# KiCad board sizif128.kicad_pcb (continued)
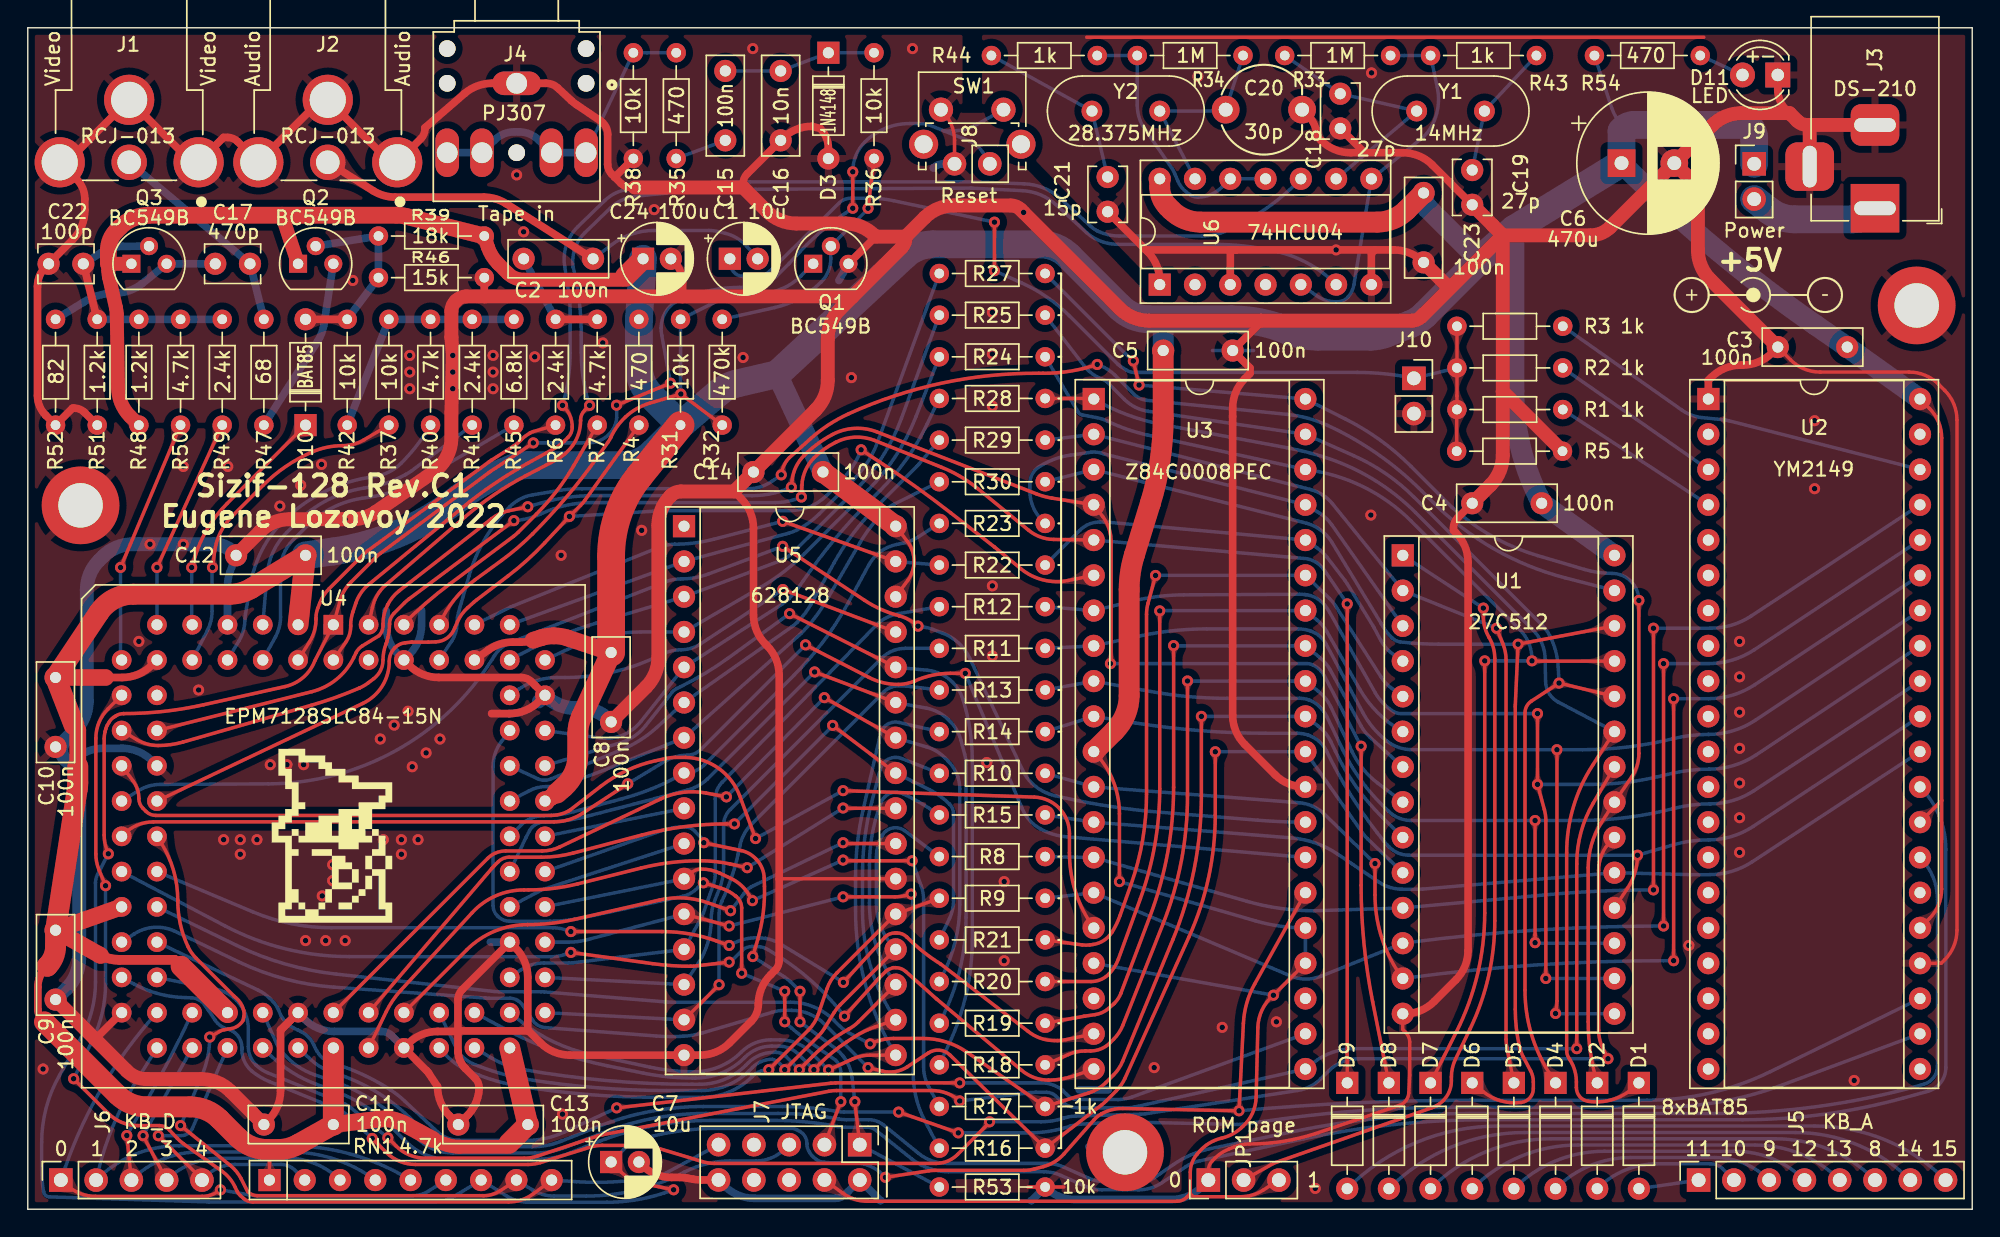
[diagram p0: board, top side]
## Copper pours and planes (outline as drawn; the poured copper is in the pictures) (continued)
VD2 on Bottom: 61.56,14.96 61.65,14.78 61.7,14.63 61.72,14.49 61.73,14.37 61.73,14.25 61.71,14.13 61.7,14.01 61.69,13.87 61.68,13.72 61.69,13.55 62.7,13.3 62.91,14.32 62.77,14.4 62.63,14.46 62.5,14.51 62.39,14.55 62.28,14.59 62.17,14.64 62.07,14.7 61.97,14.79 61.88,14.91 61.79,15.07
VD2 on Bottom: 63.64,32.05 63.88,31.95 64.07,31.86 64.23,31.77 64.37,31.68 64.49,31.58 64.61,31.48 64.72,31.37 64.83,31.24 64.96,31.09 65.12,30.93 65.96,31.27 65.58,32.1 65.35,32.08 65.16,32.06 64.98,32.05 64.82,32.04 64.67,32.04 64.52,32.05 64.36,32.08 64.18,32.13 63.97,32.19 63.73,32.28
VD2 on Bottom: 34.1,13.26 33.87,13.39 33.68,13.51 33.53,13.62 33.4,13.72 33.29,13.84 33.19,13.95 33.09,14.08 32.98,14.23 32.87,14.39 32.74,14.58 31.85,14.33 32.13,13.45 32.36,13.44 32.56,13.44 32.74,13.43 32.9,13.42 33.05,13.4 33.21,13.37 33.37,13.32 33.55,13.25 33.75,13.16 33.98,13.04
VD3 on Bottom: 48.82,19.15 48.69,18.76 48.55,18.43 48.41,18.15 48.26,17.92 48.09,17.72 47.91,17.55 47.69,17.39 47.45,17.23 47.17,17.06 46.84,16.87 47.03,15.85 48.04,16.07 48.1,16.45 48.18,16.77 48.26,17.04 48.35,17.29 48.44,17.53 48.55,17.76 48.67,18.02 48.79,18.32 48.92,18.66 49.06,19.08
VD3 on Bottom: 44.86,16.18 45.15,16.16 45.39,16.13 45.6,16.09 45.79,16.04 45.95,15.98 46.11,15.9 46.27,15.82 46.44,15.72 46.64,15.61 46.86,15.48 47.65,16.16 46.94,16.92 46.7,16.81 46.49,16.72 46.31,16.64 46.14,16.57 45.98,16.52 45.81,16.47 45.62,16.44 45.41,16.42 45.16,16.42 44.87,16.43
VD3 on Bottom: 64.24,40.27 64.4,40.27 64.54,40.24 64.65,40.21 64.74,40.16 64.83,40.11 64.91,40.05 65,39.98 65.09,39.91 65.2,39.84 65.32,39.77 65.98,40.4 65.32,41.03 65.2,40.96 65.09,40.89 65,40.82 64.91,40.75 64.83,40.69 64.74,40.64 64.65,40.59 64.54,40.56 64.4,40.53 64.24,40.52
VD3 on Bottom: 39.38,16.71 39.12,16.73 38.9,16.76 38.71,16.79 38.55,16.83 38.4,16.89 38.26,16.95 38.11,17.02 37.96,17.11 37.78,17.21 37.58,17.32 36.88,16.72 37.52,16.04 37.73,16.14 37.91,16.22 38.07,16.29 38.23,16.35 38.37,16.39 38.53,16.43 38.69,16.46 38.88,16.47 39.1,16.47 39.36,16.46
VD3 on Bottom: 38.67,16.75 38.5,16.77 38.36,16.8 38.25,16.84 38.16,16.89 38.07,16.95 37.99,17.02 37.91,17.09 37.82,17.17 37.71,17.24 37.58,17.32 36.88,16.72 37.52,16.04 37.65,16.11 37.77,16.18 37.86,16.24 37.95,16.3 38.04,16.36 38.13,16.41 38.23,16.46 38.35,16.49 38.49,16.5 38.65,16.5
VD3 on Bottom: 45.66,16.14 45.84,16.12 45.99,16.08 46.12,16.03 46.22,15.97 46.32,15.9 46.41,15.83 46.5,15.74 46.6,15.66 46.72,15.57 46.86,15.48 47.65,16.16 46.94,16.92 46.79,16.84 46.66,16.77 46.55,16.69 46.45,16.62 46.35,16.55 46.25,16.49 46.14,16.44 46.01,16.41 45.86,16.39 45.67,16.39
VD3 on Bottom: 48.03,17.57 47.92,17.42 47.81,17.31 47.7,17.23 47.6,17.17 47.49,17.12 47.38,17.08 47.26,17.05 47.13,17.01 46.99,16.95 46.84,16.87 47.03,15.85 48.04,16.07 48.06,16.24 48.06,16.39 48.05,16.52 48.04,16.64 48.03,16.76 48.03,16.88 48.04,17 48.08,17.13 48.14,17.27 48.24,17.43
VD3 on Bottom: 63.54,40.27 63.8,40.27 64.01,40.26 64.2,40.23 64.36,40.2 64.51,40.16 64.65,40.1 64.79,40.04 64.95,39.96 65.12,39.87 65.32,39.77 65.98,40.4 65.32,41.03 65.12,40.93 64.95,40.84 64.79,40.76 64.65,40.7 64.51,40.64 64.36,40.6 64.2,40.57 64.01,40.54 63.8,40.53 63.54,40.52
VD4 on Bottom: 64.28,43.04 64.44,43.06 64.58,43.06 64.69,43.05 64.8,43.02 64.89,42.98 64.98,42.93 65.07,42.88 65.18,42.83 65.3,42.78 65.43,42.73 65.98,43.46 65.22,43.97 65.11,43.88 65.01,43.79 64.93,43.71 64.86,43.63 64.79,43.55 64.72,43.49 64.63,43.42 64.53,43.37 64.4,43.33 64.24,43.29
VD4 on Bottom: 36.06,17.66 35.87,17.6 35.71,17.55 35.56,17.51 35.43,17.49 35.31,17.47 35.19,17.46 34.93,17.44 34.78,17.43 34.6,17.4 34.41,16.5 35.31,16.34 35.39,16.49 35.46,16.63 35.55,16.88 35.61,16.99 35.67,17.09 35.74,17.19 35.85,17.28 35.98,17.36 36.15,17.43
VD4 on Bottom: 47.9,20.18 47.8,20.02 47.71,19.89 47.61,19.8 47.51,19.73 47.4,19.68 47.3,19.63 47.18,19.59 47.06,19.53 46.93,19.46 46.78,19.37 47.06,18.37 48.05,18.68 48.05,18.85 48.04,19 48.01,19.13 47.99,19.25 47.97,19.37 47.96,19.49 47.96,19.61 47.99,19.74 48.04,19.89 48.12,20.06
VD4 on Bottom: 48.28,20.88 48.14,20.62 48.01,20.42 47.88,20.24 47.76,20.1 47.63,19.98 47.49,19.87 47.35,19.76 47.18,19.65 47,19.52 46.78,19.37 47.06,18.37 48.05,18.68 48.06,18.94 48.06,19.17 48.07,19.37 48.08,19.55 48.1,19.72 48.14,19.89 48.19,20.08 48.26,20.27 48.37,20.5 48.5,20.76
VD4 on Bottom: 45.69,18.41 45.87,18.42 46.03,18.41 46.16,18.38 46.28,18.34 46.38,18.29 46.48,18.23 46.58,18.16 46.7,18.09 46.83,18.03 46.99,17.96 47.65,18.77 46.82,19.39 46.68,19.29 46.57,19.2 46.47,19.1 46.39,19.01 46.3,18.93 46.21,18.85 46.11,18.79 45.99,18.73 45.84,18.69 45.66,18.65
VD4 on Bottom: 44.89,18.31 45.18,18.34 45.43,18.35 45.64,18.35 45.83,18.33 46,18.3 46.17,18.25 46.35,18.2 46.53,18.13 46.74,18.05 46.99,17.96 47.65,18.77 46.82,19.39 46.6,19.25 46.41,19.12 46.25,19.01 46.09,18.92 45.94,18.83 45.78,18.76 45.6,18.7 45.4,18.64 45.15,18.6 44.86,18.56
VD4 on Bottom: 36.78,17.84 36.48,17.8 36.23,17.75 36.01,17.71 35.82,17.66 35.65,17.62 35.48,17.57 35.3,17.53 35.11,17.48 34.88,17.44 34.62,17.41 34.41,16.5 35.31,16.34 35.44,16.55 35.54,16.75 35.64,16.92 35.75,17.07 35.86,17.2 35.99,17.31 36.14,17.41 36.33,17.49 36.55,17.55 36.81,17.59
VD4 on Bottom: 63.59,42.93 63.84,42.97 64.06,42.99 64.24,43 64.41,42.99 64.56,42.97 64.71,42.94 64.86,42.9 65.03,42.85 65.22,42.79 65.43,42.73 65.98,43.46 65.22,43.97 65.04,43.84 64.88,43.72 64.74,43.62 64.61,43.53 64.48,43.45 64.34,43.39 64.19,43.33 64.01,43.27 63.8,43.22 63.55,43.17
VD5 on Top: 48.29,14.85 48.15,14.73 48.02,14.64 47.9,14.58 47.78,14.54 47.67,14.52 47.55,14.5 47.43,14.49 47.3,14.47 47.15,14.44 46.99,14.4 46.97,13.36 48.01,13.38 48.05,13.54 48.08,13.69 48.1,13.82 48.11,13.94 48.13,14.06 48.15,14.17 48.19,14.29 48.25,14.41 48.34,14.54 48.46,14.68
VD5 on Top: 49.02,15.24 49.13,15.34 49.22,15.42 49.3,15.49 49.37,15.55 49.45,15.6 49.52,15.64 49.6,15.68 49.69,15.72 49.8,15.76 49.91,15.8 49.91,16.32 49.39,16.3 49.36,16.18 49.32,16.08 49.28,15.99 49.25,15.91 49.21,15.84 49.16,15.76 49.1,15.69 49.03,15.61 48.95,15.52 48.85,15.41
VD5 on Top: 48.85,15.42 48.64,15.22 48.45,15.05 48.28,14.92 48.13,14.82 47.97,14.74 47.81,14.67 47.64,14.61 47.45,14.55 47.23,14.48 46.99,14.4 46.97,13.36 48.01,13.38 48.09,13.62 48.16,13.84 48.22,14.03 48.28,14.2 48.35,14.36 48.43,14.52 48.53,14.67 48.66,14.84 48.83,15.03 49.03,15.24
VD5 on Bottom: 45.66,13.6 45.84,13.58 45.99,13.54 46.12,13.49 46.22,13.43 46.32,13.36 46.41,13.29 46.5,13.2 46.6,13.12 46.72,13.03 46.86,12.94 47.65,13.62 46.94,14.38 46.79,14.3 46.66,14.23 46.55,14.15 46.45,14.08 46.35,14.01 46.25,13.95 46.14,13.9 46.01,13.87 45.86,13.85 45.67,13.85
VD5 on Bottom: 64.23,37.44 64.4,37.41 64.53,37.37 64.63,37.33 64.72,37.27 64.8,37.2 64.87,37.13 64.95,37.06 65.03,36.98 65.13,36.89 65.25,36.81 65.98,37.36 65.4,38.06 65.26,38.01 65.15,37.95 65.05,37.89 64.96,37.84 64.87,37.78 64.78,37.74 64.68,37.7 64.56,37.68 64.43,37.68 64.26,37.69
VD5 on Bottom: 44.86,13.64 45.15,13.62 45.39,13.59 45.6,13.55 45.79,13.5 45.95,13.44 46.11,13.36 46.27,13.28 46.44,13.18 46.64,13.07 46.86,12.94 47.65,13.62 46.94,14.38 46.7,14.27 46.49,14.18 46.31,14.1 46.14,14.03 45.98,13.98 45.81,13.93 45.62,13.9 45.41,13.88 45.16,13.88 44.87,13.89
VD5 on Bottom: 38.67,14.21 38.5,14.23 38.36,14.26 38.25,14.3 38.16,14.35 38.07,14.41 37.99,14.48 37.91,14.55 37.82,14.63 37.71,14.7 37.58,14.78 36.88,14.18 37.52,13.5 37.65,13.57 37.77,13.64 37.86,13.7 37.95,13.76 38.04,13.82 38.13,13.87 38.23,13.92 38.35,13.95 38.49,13.96 38.65,13.96
VD5 on Bottom: 63.54,37.52 63.79,37.49 64.01,37.45 64.19,37.4 64.34,37.35 64.48,37.29 64.62,37.22 64.75,37.14 64.9,37.04 65.06,36.93 65.25,36.81 65.98,37.36 65.4,38.06 65.19,37.99 65,37.92 64.84,37.86 64.69,37.81 64.54,37.78 64.39,37.75 64.23,37.73 64.04,37.73 63.82,37.74 63.57,37.77
VD5 on Bottom: 49.65,17.36 49.65,17.22 49.64,17.1 49.64,16.99 49.62,16.9 49.61,16.81 49.58,16.73 49.55,16.65 49.51,16.56 49.47,16.46 49.42,16.35 49.78,15.97 50.14,16.35 50.08,16.46 50.04,16.56 50,16.65 49.97,16.73 49.94,16.81 49.93,16.9 49.91,16.99 49.91,17.1 49.9,17.22 49.9,17.36
VD5 on Bottom: 39.38,14.17 39.12,14.19 38.9,14.22 38.71,14.25 38.55,14.29 38.4,14.35 38.26,14.41 38.11,14.48 37.96,14.57 37.78,14.67 37.58,14.78 36.88,14.18 37.52,13.5 37.73,13.6 37.91,13.68 38.07,13.75 38.23,13.81 38.37,13.85 38.53,13.89 38.69,13.92 38.88,13.93 39.1,13.93 39.36,13.92
VD6 on Top: 59.19,10.58 59.55,10.77 59.87,10.9 60.16,10.97 60.44,11 60.7,10.97 60.96,10.91 61.23,10.82 61.51,10.69 61.81,10.54 62.14,10.38 62.89,11.1 62.08,11.79 61.74,11.61 61.44,11.49 61.16,11.41 60.89,11.36 60.63,11.33 60.37,11.29 60.09,11.23 59.78,11.14 59.44,11 59.06,10.79
VD6 on Top: 58.68,10.64 58.55,10.58 58.44,10.54 58.34,10.5 58.25,10.47 58.16,10.45 58.08,10.44 57.99,10.43 57.89,10.43 57.78,10.43 57.66,10.44 57.47,9.95 57.96,9.78 58.04,9.88 58.11,9.96 58.17,10.03 58.24,10.09 58.3,10.14 58.37,10.2 58.45,10.25 58.54,10.3 58.65,10.35 58.79,10.41
VD6 on Top: 60.9,10.97 61.09,10.97 61.24,10.94 61.37,10.9 61.48,10.84 61.57,10.78 61.67,10.7 61.76,10.63 61.87,10.54 61.99,10.46 62.14,10.38 62.89,11.1 62.14,11.82 61.99,11.74 61.87,11.66 61.76,11.57 61.67,11.5 61.57,11.42 61.48,11.36 61.37,11.3 61.24,11.26 61.09,11.23 60.9,11.22
VD6 on Bottom: 63.56,34.74 63.81,34.68 64.02,34.62 64.19,34.56 64.35,34.49 64.48,34.41 64.61,34.33 64.73,34.23 64.87,34.12 65.02,34 65.19,33.85 65.97,34.32 65.47,35.08 65.25,35.03 65.06,34.98 64.89,34.94 64.74,34.91 64.59,34.89 64.43,34.88 64.27,34.88 64.08,34.9 63.87,34.93 63.62,34.99
VD6 on Bottom: 36.78,12.78 36.52,12.95 36.31,13.1 36.13,13.24 35.99,13.38 35.87,13.52 35.76,13.67 35.66,13.83 35.56,14.02 35.46,14.23 35.34,14.47 34.42,14.38 34.55,13.47 34.82,13.4 35.05,13.35 35.25,13.29 35.43,13.23 35.6,13.16 35.77,13.08 35.95,12.99 36.15,12.87 36.38,12.74 36.65,12.57
VD6 on Bottom: 64.25,34.59 64.4,34.54 64.53,34.49 64.63,34.43 64.71,34.37 64.78,34.29 64.85,34.22 64.92,34.13 64.99,34.04 65.08,33.95 65.19,33.85 65.97,34.32 65.47,35.08 65.33,35.04 65.21,35 65.1,34.95 65.01,34.9 64.91,34.86 64.82,34.83 64.72,34.8 64.6,34.79 64.46,34.8 64.3,34.83
VD6 on Bottom: 61.26,13.18 61.38,12.9 61.47,12.67 61.54,12.46 61.59,12.27 61.62,12.1 61.64,11.93 61.66,11.74 61.67,11.54 61.68,11.31 61.69,11.05 62.69,10.75 62.95,11.76 62.73,11.9 62.54,12.03 62.38,12.14 62.23,12.24 62.09,12.36 61.97,12.48 61.85,12.63 61.73,12.8 61.62,13.02 61.49,13.28
VD6 on Bottom: 56.72,10.79 56.82,10.69 56.91,10.6 56.97,10.52 57.03,10.44 57.08,10.37 57.12,10.29 57.16,10.21 57.19,10.12 57.23,10.02 57.27,9.91 57.79,9.89 57.78,10.41 57.66,10.46 57.56,10.49 57.47,10.53 57.39,10.57 57.32,10.61 57.25,10.65 57.17,10.71 57.09,10.78 57,10.87 56.9,10.97
VD6 on Bottom: 61.61,12.45 61.69,12.27 61.73,12.12 61.76,11.99 61.76,11.86 61.75,11.75 61.74,11.63 61.72,11.51 61.7,11.37 61.69,11.22 61.69,11.05 62.69,10.75 62.95,11.76 62.8,11.85 62.67,11.91 62.54,11.97 62.43,12.01 62.32,12.06 62.21,12.11 62.11,12.18 62.02,12.27 61.92,12.4 61.83,12.56
VD6 on Bottom: 36.19,13.17 36.02,13.3 35.89,13.42 35.78,13.53 35.7,13.64 35.64,13.76 35.59,13.88 35.54,14 35.48,14.14 35.42,14.3 35.34,14.47 34.42,14.38 34.55,13.47 34.74,13.43 34.9,13.4 35.05,13.38 35.18,13.36 35.31,13.33 35.44,13.29 35.57,13.24 35.71,13.18 35.87,13.08 36.05,12.96
VD7 on Top: 61.45,14.97 61.59,15.09 61.72,15.18 61.84,15.24 61.96,15.28 62.07,15.3 62.19,15.32 62.31,15.33 62.44,15.35 62.59,15.38 62.75,15.42 62.77,16.46 61.73,16.44 61.69,16.28 61.66,16.13 61.64,16 61.63,15.88 61.61,15.76 61.59,15.65 61.55,15.53 61.49,15.41 61.4,15.28 61.28,15.14
VD7 on Top: 56.3,10.98 56.2,10.88 56.11,10.79 56.03,10.73 55.95,10.67 55.88,10.62 55.81,10.58 55.73,10.54 55.64,10.51 55.54,10.47 55.42,10.43 55.41,9.91 55.93,9.92 55.97,10.04 56.01,10.14 56.04,10.23 56.08,10.31 56.12,10.38 56.17,10.45 56.23,10.53 56.29,10.61 56.38,10.7 56.48,10.8
VD7 on Top: 60.89,14.4 61.1,14.6 61.29,14.77 61.46,14.9 61.61,15 61.77,15.08 61.93,15.15 62.1,15.21 62.29,15.27 62.51,15.34 62.75,15.42 62.77,16.46 61.73,16.44 61.65,16.2 61.58,15.98 61.52,15.79 61.46,15.62 61.39,15.46 61.31,15.3 61.21,15.15 61.08,14.98 60.91,14.79 60.71,14.58
VD7 on Bottom: 64.28,29.12 64.43,29.02 64.54,28.93 64.63,28.83 64.7,28.74 64.75,28.64 64.8,28.54 64.84,28.43 64.89,28.31 64.95,28.18 65.03,28.04 65.92,28.21 65.72,29.09 65.56,29.11 65.41,29.12 65.29,29.12 65.17,29.11 65.06,29.12 64.95,29.12 64.83,29.15 64.71,29.19 64.56,29.25 64.4,29.34
VD7 on Bottom: 63.67,29.46 63.91,29.33 64.1,29.21 64.26,29.09 64.4,28.97 64.51,28.86 64.61,28.73 64.7,28.59 64.8,28.43 64.91,28.25 65.03,28.04 65.92,28.21 65.72,29.09 65.48,29.13 65.27,29.15 65.08,29.18 64.92,29.21 64.76,29.25 64.6,29.3 64.43,29.37 64.25,29.45 64.03,29.55 63.79,29.68
VD7 on Bottom: 33.45,11.01 33.31,11.1 33.2,11.19 33.12,11.28 33.06,11.37 33.01,11.46 32.97,11.55 32.93,11.66 32.89,11.77 32.83,11.88 32.75,12.01 31.85,11.8 32.1,10.91 32.25,10.91 32.38,10.91 32.5,10.92 32.61,10.94 32.71,10.95 32.82,10.95 32.93,10.95 33.04,10.92 33.17,10.87 33.32,10.79
VD7 on Bottom: 54.62,10.8 54.72,10.7 54.81,10.61 54.87,10.53 54.93,10.45 54.98,10.38 55.02,10.31 55.06,10.23 55.09,10.14 55.13,10.04 55.17,9.92 55.69,9.91 55.68,10.43 55.56,10.47 55.46,10.51 55.37,10.54 55.29,10.58 55.22,10.62 55.15,10.67 55.07,10.73 54.99,10.79 54.9,10.88 54.8,10.98
VD7 on Bottom: 61.55,17.5 61.63,17.33 61.68,17.17 61.71,17.04 61.72,16.91 61.72,16.79 61.71,16.67 61.69,16.55 61.68,16.42 61.68,16.27 61.69,16.09 62.7,15.84 62.91,16.86 62.77,16.94 62.63,17 62.5,17.05 62.38,17.09 62.27,17.13 62.16,17.18 62.06,17.24 61.96,17.33 61.87,17.45 61.78,17.62
VD7 on Bottom: 61.22,18.24 61.33,17.96 61.42,17.72 61.48,17.51 61.53,17.32 61.57,17.15 61.6,16.97 61.62,16.79 61.64,16.59 61.67,16.36 61.69,16.09 62.7,15.84 62.91,16.86 62.69,16.99 62.5,17.11 62.33,17.21 62.18,17.31 62.04,17.42 61.91,17.54 61.79,17.68 61.68,17.86 61.56,18.07 61.45,18.33
VD7 on Bottom: 34.76,10.41 34.43,10.52 34.14,10.64 33.91,10.75 33.71,10.87 33.53,11.01 33.38,11.16 33.23,11.33 33.08,11.52 32.93,11.75 32.75,12.01 31.85,11.8 32.1,10.91 32.43,10.88 32.7,10.84 32.94,10.79 33.15,10.73 33.36,10.66 33.56,10.58 33.79,10.49 34.04,10.4 34.33,10.29 34.69,10.17
VIDEO on Bottom: 16.65,66.62 16.61,66.8 16.59,66.95 16.59,67.09 16.6,67.2 16.61,67.31 16.64,67.42 16.67,67.53 16.71,67.65 16.75,67.78 16.78,67.94 15.9,68.49 15.39,67.59 15.49,67.47 15.58,67.37 15.67,67.28 15.75,67.2 15.83,67.12 15.9,67.03 15.96,66.93 16.02,66.81 16.07,66.67 16.12,66.49
VIDEO on Bottom: 16.85,65.85 16.78,66.13 16.73,66.37 16.69,66.58 16.66,66.77 16.65,66.95 16.65,67.12 16.67,67.29 16.7,67.48 16.73,67.69 16.78,67.94 15.9,68.49 15.39,67.59 15.54,67.4 15.68,67.23 15.79,67.07 15.88,66.93 15.97,66.78 16.04,66.62 16.11,66.44 16.17,66.23 16.24,66 16.31,65.71
VIDEO on Bottom: 9.43,73.98 9.21,74.18 9.04,74.37 8.92,74.55 8.84,74.72 8.78,74.9 8.73,75.07 8.69,75.26 8.63,75.46 8.56,75.69 8.46,75.93 6.81,75.82 6.99,74.17 7.25,74.12 7.48,74.09 7.69,74.07 7.88,74.06 8.06,74.04 8.24,74.01 8.43,73.96 8.62,73.87 8.84,73.74 9.07,73.56
VIDEO on Bottom: 13.99,69.43 14.21,69.24 14.4,69.07 14.55,68.93 14.68,68.79 14.8,68.65 14.89,68.51 14.99,68.36 15.07,68.19 15.17,68 15.27,67.77 16.31,67.84 16.2,68.88 15.96,68.94 15.75,69 15.57,69.05 15.4,69.12 15.25,69.19 15.1,69.28 14.94,69.38 14.76,69.51 14.57,69.66 14.35,69.85
VIDEO on Bottom: 16.4,65.38 16.43,65.23 16.45,65.1 16.46,64.98 16.46,64.88 16.44,64.78 16.43,64.69 16.4,64.59 16.37,64.49 16.34,64.37 16.31,64.24 17.08,63.76 17.54,64.55 17.45,64.65 17.37,64.74 17.3,64.81 17.23,64.89 17.17,64.96 17.12,65.04 17.06,65.13 17.02,65.24 16.97,65.36 16.93,65.52
VIDEO on Bottom: 16.23,66.06 16.29,65.82 16.34,65.6 16.37,65.42 16.4,65.25 16.41,65.1 16.41,64.95 16.41,64.8 16.39,64.63 16.36,64.45 16.31,64.24 17.08,63.76 17.54,64.55 17.4,64.71 17.29,64.86 17.2,64.99 17.12,65.13 17.05,65.26 16.99,65.4 16.93,65.56 16.88,65.74 16.82,65.95 16.76,66.19
VIDEO on Bottom: 14.61,68.91 14.74,68.79 14.85,68.68 14.93,68.58 14.99,68.47 15.04,68.37 15.08,68.27 15.12,68.16 15.16,68.05 15.21,67.92 15.27,67.77 16.31,67.84 16.2,68.88 16.04,68.91 15.91,68.94 15.79,68.95 15.67,68.97 15.56,69 15.46,69.03 15.35,69.07 15.23,69.14 15.1,69.22 14.96,69.33
VIDEO on Bottom: 10.4,73.16 10.05,73.47 9.76,73.74 9.53,73.99 9.33,74.22 9.17,74.45 9.03,74.69 8.9,74.95 8.77,75.23 8.63,75.56 8.46,75.93 6.81,75.82 6.99,74.17 7.39,74.08 7.73,73.99 8.03,73.91 8.31,73.83 8.57,73.73 8.82,73.61 9.09,73.46 9.37,73.27 9.69,73.04 10.05,72.74
Net-(C1-Pad1) on Top: 102.78,61.99 102.77,61.83 102.74,61.69 102.71,61.58 102.66,61.49 102.61,61.4 102.55,61.32 102.48,61.23 102.41,61.14 102.34,61.03 102.27,60.91 102.9,60.25 103.53,60.91 103.46,61.03 103.39,61.14 103.32,61.23 103.25,61.32 103.19,61.4 103.14,61.49 103.09,61.58 103.06,61.69 103.03,61.83 103.03,61.99
Net-(C1-Pad1) on Top: 103.03,61.51 103.03,61.77 103.04,61.98 103.07,62.17 103.1,62.33 103.14,62.48 103.2,62.62 103.26,62.76 103.34,62.92 103.43,63.09 103.53,63.29 102.9,63.95 102.27,63.29 102.37,63.09 102.46,62.92 102.54,62.76 102.6,62.62 102.66,62.48 102.7,62.33 102.73,62.17 102.76,61.98 102.77,61.77 102.78,61.51
Net-(C1-Pad1) on Top: 103,55.5 103.01,55.76 103.02,55.97 103.05,56.16 103.08,56.32 103.12,56.47 103.18,56.61 103.24,56.75 103.32,56.9 103.42,57.08 103.52,57.28 102.91,57.95 102.26,57.31 102.36,57.1 102.44,56.93 102.52,56.77 102.58,56.62 102.64,56.48 102.68,56.33 102.71,56.16 102.74,55.98 102.75,55.76 102.75,55.5
Net-(C1-Pad1) on Top: 102.75,55.99 102.75,55.83 102.72,55.69 102.69,55.58 102.64,55.49 102.59,55.4 102.53,55.32 102.46,55.23 102.39,55.14 102.32,55.03 102.25,54.91 102.88,54.25 103.51,54.91 103.44,55.03 103.37,55.14 103.3,55.23 103.23,55.32 103.17,55.4 103.12,55.49 103.07,55.58 103.04,55.69 103.01,55.83 103,55.99
Net-(C1-Pad1) on Top: 103.03,62.21 103.03,62.37 103.06,62.51 103.09,62.62 103.14,62.71 103.19,62.8 103.25,62.88 103.32,62.97 103.39,63.06 103.46,63.17 103.53,63.29 102.9,63.95 102.27,63.29 102.34,63.17 102.41,63.06 102.48,62.97 102.55,62.88 102.61,62.8 102.66,62.71 102.71,62.62 102.74,62.51 102.77,62.37 102.78,62.21
Net-(C1-Pad1) on Top: 103.03,59.21 103.03,59.37 103.06,59.51 103.09,59.62 103.14,59.71 103.19,59.8 103.25,59.88 103.32,59.97 103.39,60.06 103.46,60.17 103.53,60.29 102.9,60.95 102.27,60.29 102.34,60.17 102.41,60.06 102.48,59.97 102.55,59.88 102.61,59.8 102.66,59.71 102.71,59.62 102.74,59.51 102.77,59.37 102.78,59.21
Net-(C1-Pad1) on Top: 69.47,68.79 69.47,68.65 69.47,68.52 69.46,68.42 69.45,68.32 69.43,68.24 69.41,68.15 69.38,68.07 69.34,67.98 69.29,67.89 69.24,67.77 69.6,67.4 69.96,67.77 69.91,67.89 69.86,67.98 69.82,68.07 69.79,68.15 69.77,68.24 69.75,68.32 69.74,68.42 69.73,68.52 69.73,68.65 69.72,68.79
Net-(C1-Pad1) on Top: 103,56.2 103.01,56.36 103.04,56.5 103.07,56.61 103.12,56.7 103.17,56.79 103.23,56.87 103.3,56.95 103.37,57.04 103.45,57.15 103.52,57.28 102.91,57.95 102.26,57.31 102.33,57.18 102.4,57.07 102.46,56.97 102.53,56.89 102.59,56.8 102.64,56.71 102.69,56.62 102.72,56.5 102.75,56.37 102.75,56.2
Net-(C1-Pad1) on Top: 103.03,58.5 103.03,58.76 103.04,58.97 103.07,59.16 103.1,59.32 103.14,59.47 103.2,59.61 103.26,59.76 103.34,59.91 103.43,60.09 103.53,60.29 102.9,60.95 102.27,60.29 102.37,60.09 102.46,59.91 102.54,59.76 102.6,59.61 102.66,59.47 102.7,59.32 102.73,59.16 102.76,58.97 102.77,58.76 102.78,58.5
Net-(C1-Pad1) on Top: 102.78,62.69 102.77,62.43 102.76,62.22 102.73,62.03 102.7,61.87 102.66,61.72 102.6,61.58 102.54,61.44 102.46,61.28 102.37,61.11 102.27,60.91 102.9,60.25 103.53,60.91 103.43,61.11 103.34,61.28 103.26,61.44 103.2,61.58 103.14,61.72 103.1,61.87 103.07,62.03 103.04,62.22 103.03,62.43 103.03,62.69
Net-(C1-Pad1) on Top: 102.75,56.69 102.75,56.43 102.74,56.22 102.71,56.03 102.68,55.87 102.64,55.72 102.58,55.58 102.52,55.44 102.44,55.28 102.35,55.11 102.25,54.91 102.88,54.25 103.51,54.91 103.41,55.11 103.32,55.28 103.24,55.44 103.18,55.58 103.12,55.72 103.08,55.87 103.05,56.03 103.02,56.22 103.01,56.43 103,56.69
Net-(C1-Pad1) on Top: 102.78,59 102.77,58.84 102.74,58.7 102.71,58.59 102.66,58.49 102.61,58.41 102.55,58.32 102.48,58.24 102.41,58.14 102.34,58.04 102.27,57.91 102.9,57.25 103.53,57.91 103.46,58.04 103.39,58.14 103.32,58.24 103.25,58.32 103.19,58.41 103.14,58.49 103.09,58.59 103.06,58.7 103.03,58.84 103.03,59
Net-(C1-Pad1) on Top: 69.72,69.91 69.73,70.05 69.73,70.18 69.74,70.28 69.75,70.38 69.77,70.46 69.79,70.54 69.82,70.63 69.86,70.72 69.91,70.81 69.96,70.93 69.6,71.3 69.24,70.93 69.29,70.81 69.34,70.72 69.38,70.63 69.41,70.54 69.43,70.46 69.45,70.38 69.46,70.28 69.47,70.18 69.47,70.05 69.47,69.91
Net-(C1-Pad1) on Top: 102.78,59.7 102.77,59.44 102.76,59.23 102.73,59.04 102.7,58.88 102.66,58.73 102.6,58.59 102.54,58.44 102.46,58.29 102.37,58.11 102.27,57.91 102.9,57.25 103.53,57.91 103.43,58.11 103.34,58.29 103.26,58.44 103.2,58.59 103.14,58.73 103.1,58.88 103.07,59.04 103.04,59.23 103.03,59.44 103.03,59.7
Net-(C1-Pad1) on Bottom: 70.74,67.23 70.61,67.29 70.5,67.34 70.4,67.39 70.32,67.44 70.25,67.49 70.19,67.55 70.12,67.61 70.06,67.68 69.99,67.76 69.91,67.86 69.42,67.68 69.61,67.2 69.74,67.2 69.84,67.2 69.94,67.2 70.03,67.2 70.11,67.18 70.2,67.17 70.29,67.14 70.39,67.1 70.5,67.06 70.63,67
Net-(C1-Pad1) on Bottom: 100.9,59.99 101.15,60.04 101.36,60.08 101.55,60.1 101.71,60.11 101.86,60.1 102.01,60.08 102.17,60.05 102.34,60.01 102.53,59.97 102.75,59.92 103.24,60.68 102.46,61.14 102.28,61 102.13,60.87 102,60.76 101.87,60.66 101.75,60.57 101.62,60.5 101.47,60.43 101.29,60.36 101.09,60.29 100.84,60.23
Net-(C1-Pad1) on Bottom: 97.26,60.09 97.57,60.06 97.82,60.02 98.04,59.96 98.23,59.9 98.4,59.81 98.56,59.72 98.72,59.61 98.89,59.48 99.08,59.33 99.29,59.17 100.22,59.77 99.58,60.67 99.3,60.59 98.86,60.46 98.68,60.41 98.49,60.37 98.3,60.34 98.1,60.32 97.87,60.31 97.6,60.32 97.28,60.34
Net-(C1-Pad1) on Bottom: 98.1,60 98.3,59.97 98.45,59.92 98.58,59.86 98.69,59.78 98.78,59.7 98.86,59.6 98.95,59.5 99.04,59.39 99.16,59.28 99.29,59.17 100.22,59.77 99.58,60.67 99.4,60.61 99.25,60.55 99.12,60.49 99.01,60.42 98.89,60.36 98.78,60.31 98.65,60.27 98.51,60.24 98.34,60.24 98.13,60.25
Net-(C1-Pad1) on Bottom: 51.37,67.33 51.24,67.37 51.17,67.44 51.13,67.51 51.13,67.61 51.14,67.71 51.18,67.82 51.27,68.07 51.31,68.2 51.34,68.33 50.44,68.84 50.37,67.68 50.5,67.64 50.6,67.59 50.68,67.53 50.75,67.46 50.82,67.39 50.88,67.32 50.96,67.25 51.05,67.19 51.16,67.13 51.31,67.09
Net-(C1-Pad1) on Bottom: 102.24,60.57 101.94,60.5 101.68,60.46 101.45,60.44 101.25,60.43 101.06,60.45 100.88,60.47 100.69,60.51 100.48,60.56 100.25,60.62 99.98,60.68 99.39,59.75 100.34,59.19 100.55,59.37 100.73,59.53 100.9,59.67 101.05,59.79 101.2,59.9 101.36,60 101.54,60.08 101.75,60.17 102,60.25 102.3,60.33
Net-(C1-Pad1) on Bottom: 101.41,60.37 101.22,60.33 101.05,60.32 100.91,60.33 100.78,60.36 100.67,60.41 100.55,60.46 100.43,60.52 100.3,60.58 100.15,60.63 99.98,60.68 99.39,59.75 100.34,59.19 100.47,59.31 100.58,59.43 100.67,59.54 100.75,59.65 100.83,59.75 100.91,59.84 101.01,59.93 101.13,60 101.28,60.07 101.47,60.13
Net-(C1-Pad1) on Bottom: 52.15,67.23 51.96,67.26 51.79,67.32 51.65,67.39 51.54,67.48 51.45,67.59 51.39,67.71 51.34,67.85 51.32,68 51.32,68.16 51.34,68.33 50.44,68.84 50.45,67.67 50.66,67.63 50.84,67.57 50.99,67.49 51.12,67.41 51.24,67.33 51.37,67.24 51.51,67.16 51.67,67.08 51.87,67.02 52.11,66.98
Net-(C1-Pad1) on Bottom: 101.58,60.15 101.74,60.18 101.87,60.19 101.99,60.18 102.09,60.16 102.19,60.13 102.28,60.09 102.38,60.04 102.49,60 102.61,59.95 102.75,59.92 103.24,60.68 102.46,61.14 102.35,61.04 102.26,60.95 102.18,60.86 102.12,60.77 102.05,60.7 101.98,60.62 101.9,60.55 101.8,60.49 101.68,60.44 101.52,60.39
Net-(C2-Pad1) on Top: 40.09,64.38 39.84,64.38 39.62,64.38 39.43,64.39 39.27,64.4 39.11,64.43 38.97,64.46 38.82,64.51 38.67,64.57 38.5,64.64 38.31,64.73 37.65,64.1 38.31,63.47 38.5,63.56 38.67,63.63 38.82,63.69 38.97,63.74 39.11,63.77 39.27,63.8 39.43,63.81 39.62,63.82 39.84,63.82 40.09,63.82
Net-(C2-Pad1) on Top: 39.39,64.38 39.23,64.38 39.1,64.39 38.99,64.41 38.89,64.44 38.79,64.47 38.71,64.52 38.62,64.56 38.53,64.61 38.42,64.67 38.31,64.73 37.65,64.1 38.31,63.47 38.42,63.53 38.53,63.59 38.62,63.64 38.71,63.68 38.79,63.73 38.89,63.76 38.99,63.79 39.1,63.81 39.23,63.82 39.39,63.82
Net-(C2-Pad1) on Top: 39.61,63.82 39.77,63.82 39.9,63.81 40.01,63.79 40.11,63.76 40.21,63.73 40.29,63.68 40.38,63.64 40.47,63.59 40.58,63.53 40.69,63.47 41.35,64.1 40.69,64.73 40.58,64.67 40.47,64.61 40.38,64.56 40.29,64.52 40.21,64.47 40.11,64.44 40.01,64.41 39.9,64.39 39.77,64.38 39.61,64.38
Net-(C2-Pad1) on Top: 38.91,63.82 39.16,63.82 39.38,63.82 39.57,63.81 39.73,63.8 39.89,63.77 40.03,63.74 40.18,63.69 40.33,63.63 40.5,63.56 40.69,63.47 41.35,64.1 40.69,64.73 40.5,64.64 40.33,64.57 40.18,64.51 40.03,64.46 39.89,64.43 39.73,64.4 39.57,64.39 39.38,64.38 39.16,64.38 38.91,64.38
Net-(C2-Pad1) on Bottom: 37.06,66.47 36.93,66.73 36.82,66.95 36.73,67.15 36.66,67.33 36.61,67.5 36.57,67.66 36.54,67.84 36.52,68.03 36.51,68.24 36.5,68.49 35.51,68.81 35.23,67.82 35.42,67.67 35.59,67.54 35.74,67.41 35.87,67.29 35.98,67.17 36.09,67.03 36.2,66.87 36.31,66.69 36.44,66.47 36.57,66.22
